# Altium PCB Archim.PcbDoc (part 3 of 5) (continued)
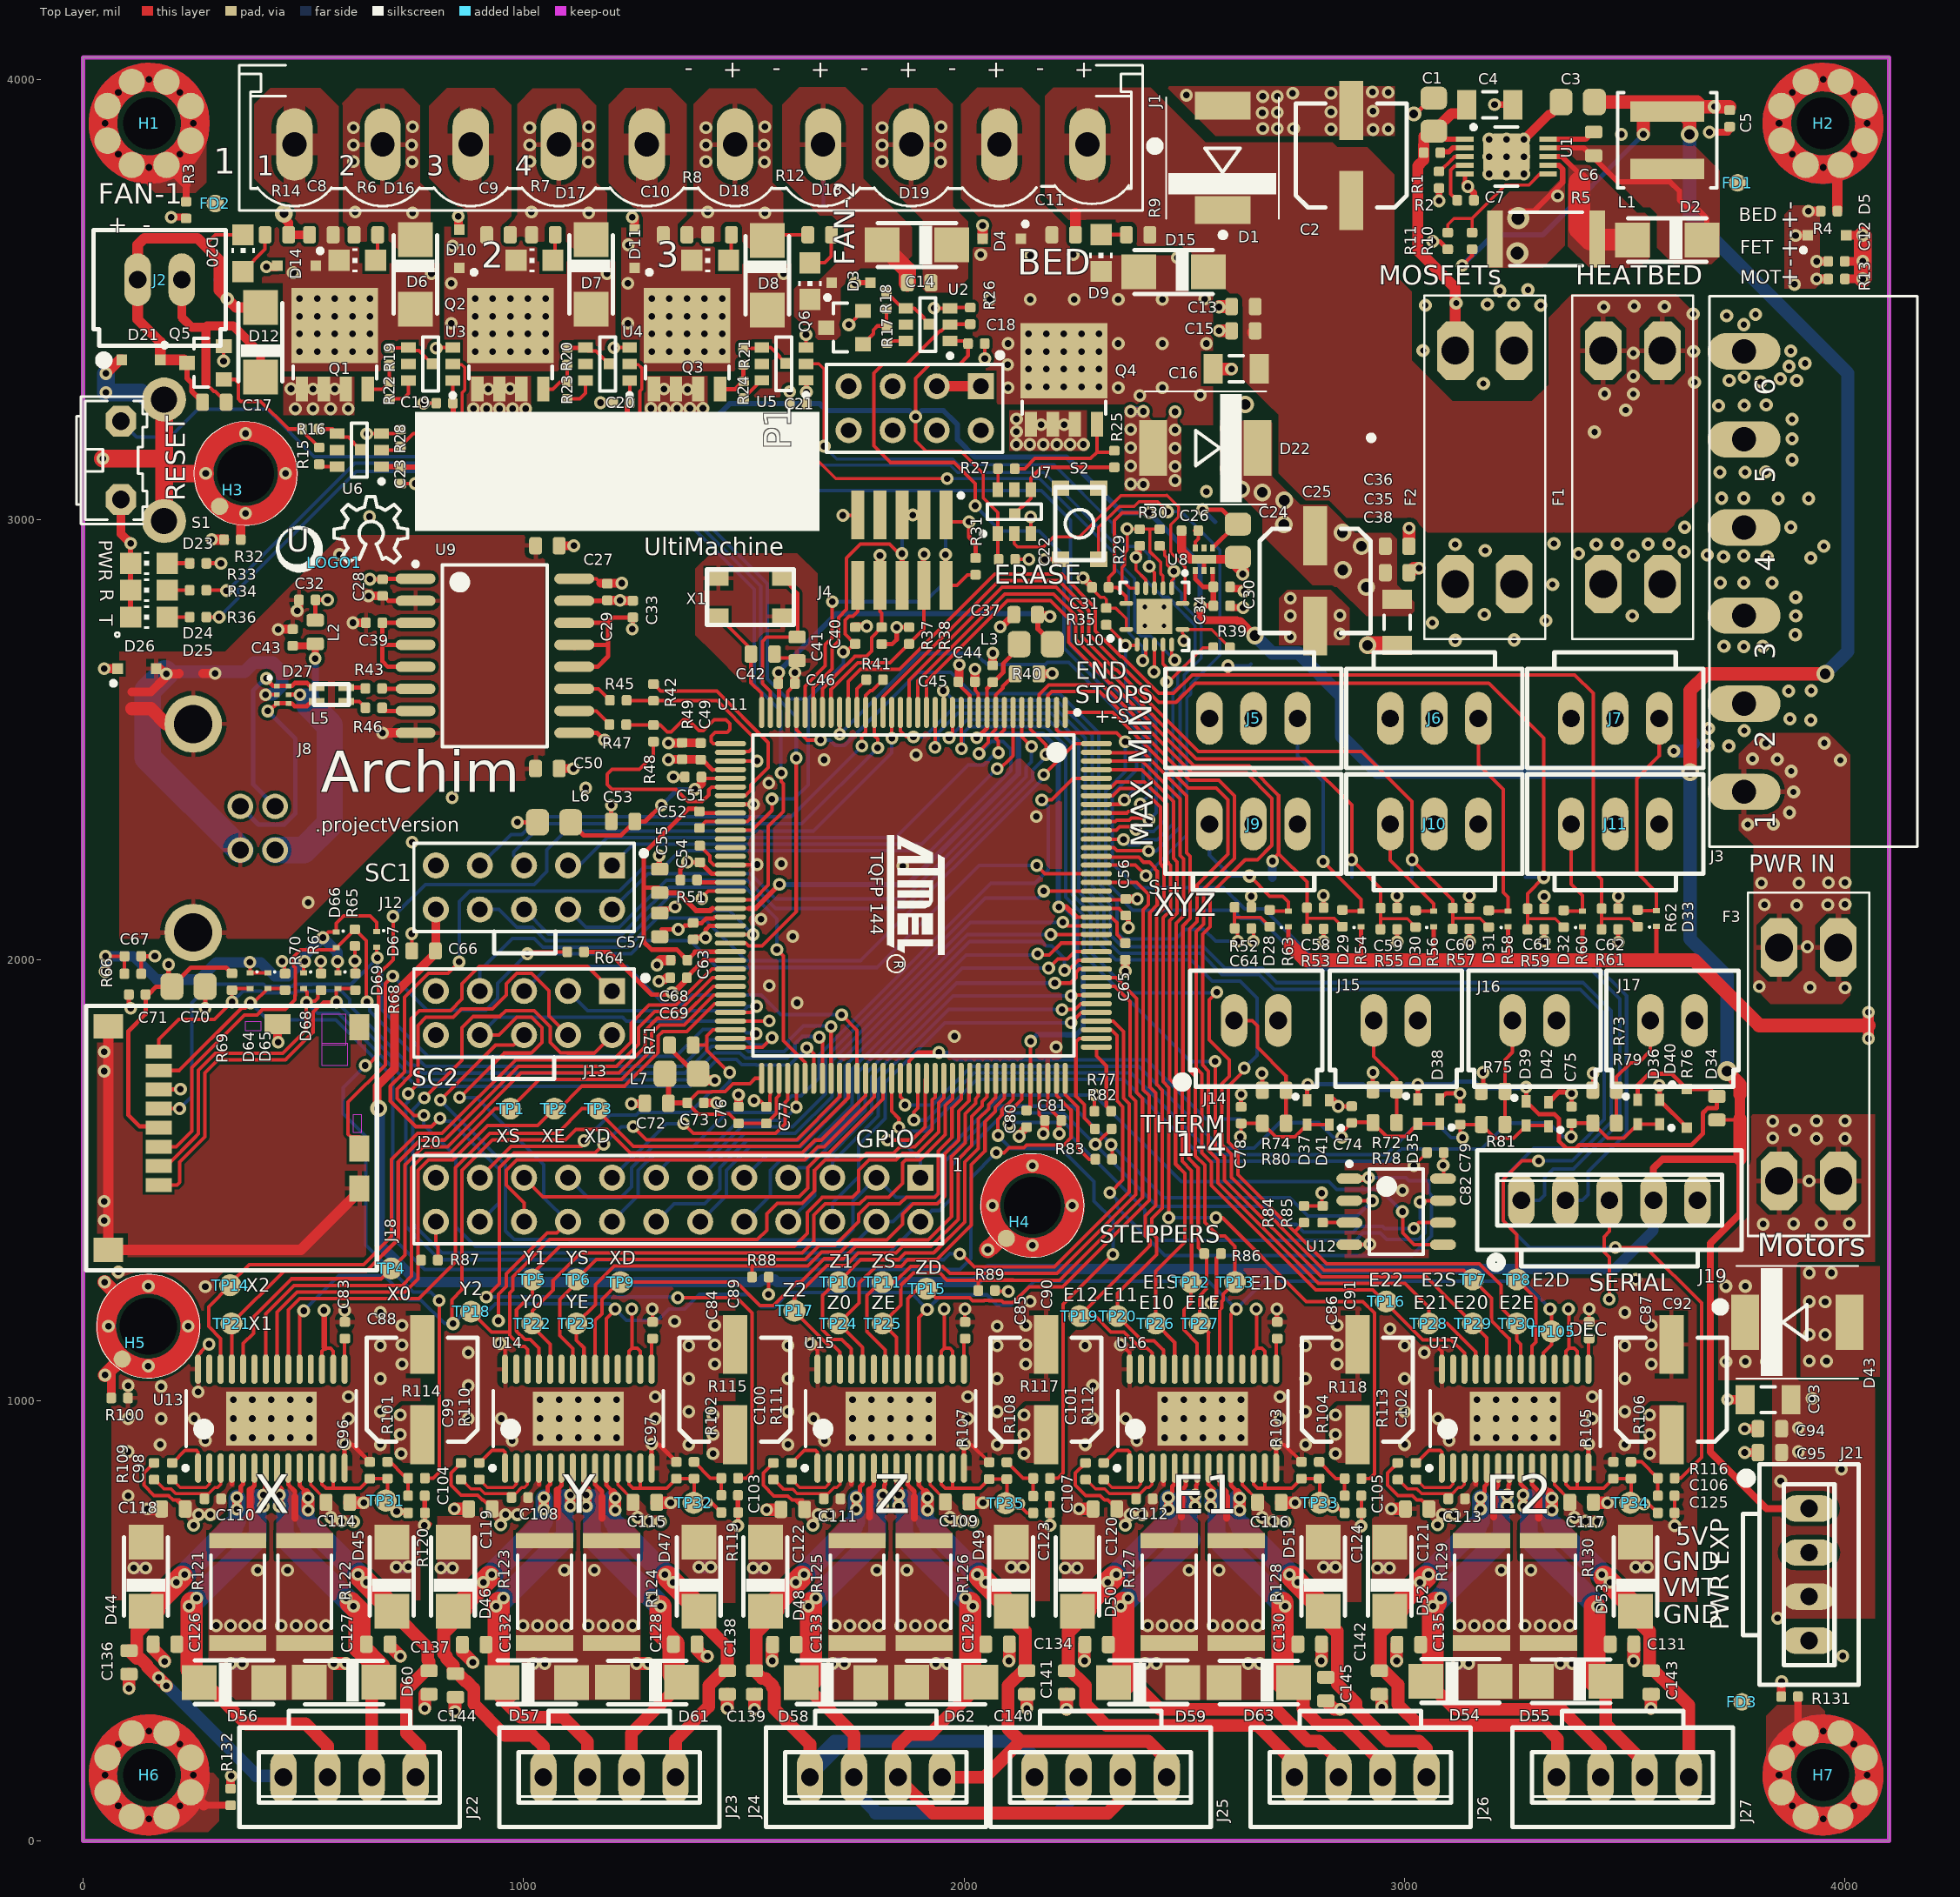
[diagram p0: Top Layer view]
## Nets (pads, with @x,y where several pads share a name; then routed paths per layer and width w, separated by ;. In a path a pad name is that pad's centre, name@x,y a point inside that pad or via, vN(x,y) a via of type N, cw(c..) or ccw(c..) an arc to the next point about the centre after c; other vN are vias at no path point) (continued)
HTBD: C11.2 D4.C D9.C D15.A J1.9 Q4.MB TP37.1
  other v1: 2399,3282 2536,3283 2100,3300 2350,3300 2450,3300 2099,3352 2100,3400 2350,3400 2450,3400 2550,3400 2058,3500 2150,3500 2250,3500 2350,3500 2450,3500 2546,3501 2484,3595 2150,3600 2038,3602 2248,3602
  other v2: 2146.5,3302.03 2186.5,3302.03 2226.5,3302.03 2266.5,3302.03 2306.5,3302.03 2146.5,3342.03 2186.5,3342.03 2226.5,3342.03 2266.5,3342.03 2306.5,3342.03 2146.5,3382.03 2186.5,3382.03 2226.5,3382.03 2266.5,3382.03 2306.5,3382.03 2146.5,3422.03 2186.5,3422.03 2226.5,3422.03 2266.5,3422.03 2306.5,3422.03
HTR0: C8.2 D6.A D14.C D16.C J1.1 Q1.MB TP40.1
  other v1: 791,3559 477,3561
  other v2: 491.5,3382.03 531.5,3382.03 571.5,3382.03 611.5,3382.03 651.5,3382.03 491.5,3422.03 531.5,3422.03 571.5,3422.03 611.5,3422.03 651.5,3422.03 491.5,3462.03 531.5,3462.03 571.5,3462.03 611.5,3462.03 651.5,3462.03 491.5,3502.03 531.5,3502.03 571.5,3502.03 611.5,3502.03 651.5,3502.03
HTR1: C9.2 D7.A D10.C D17.C J1.3 Q2.MB TP39.1
  other v1: 836,3446 836,3537 1189.5,3559 839,3622
  other v2: 890,3382.03 930,3382.03 970,3382.03 1010,3382.03 1050,3382.03 890,3422.03 930,3422.03 970,3422.03 1010,3422.03 1050,3422.03 890,3462.03 930,3462.03 970,3462.03 1010,3462.03 1050,3462.03 890,3502.03 930,3502.03 970,3502.03 1010,3502.03 1050,3502.03
HTRA: C10.2 D8.A D11.C D18.C J1.5 Q3.MB TP38.1
  other v1: 1237,3446 1237,3537 1590.5,3559 1238,3624
  other v2: 1291,3382.03 1331,3382.03 1371,3382.03 1411,3382.03 1451,3382.03 1291,3422.03 1331,3422.03 1371,3422.03 1411,3422.03 1451,3422.03 1291,3462.03 1331,3462.03 1371,3462.03 1411,3462.03 1451,3462.03 1291,3502.03 1331,3502.03 1371,3502.03 1411,3502.03 1451,3502.03
LED_R: R34.1 U11.60 | length 2455.1
  Top Layer w8: R34.1@275.77,2840 325,2840 v1(326,2839) ; U11.60@1469.65,2038.83 1504.1,2038.83 1510.44,2032.5 1541.5,2032.5 1619,2110 v1(1619,2459)
  Bottom Layer w8: v1(326,2839) 327.79,2839 617.29,3128.5 1258.71,3128.5 1538.5,2848.71 1538.5,2632.22 1619,2551.72 v1(1619,2459)
LED_Y: R36.1 U11.55 | length 2320.4
  Top Layer w8: R36.1@275.77,2779 R36.1@279.9,2779 v1(309,2779) ; U11.55@1469.65,2137.26 1522.26,2137.26 1555.5,2170.5 1555.5,2304 1589.5,2338 1589.5,2401 1585,2405.5 v1(1585,2425)
  Bottom Layer w8: v1(309,2779) 351.5,2821.5 351.5,2841.5 620,3110 1256,3110 1523.5,2842.5 1523.5,2626.01 1584,2565.51 1584,2426 v1(1585,2425)
MAX_ES1: C64.1 R52.1 R63.1 TP67.1 U11.32 | length 1806.6
  Top Layer w7: 2614.1,2097 2673.1,2097 R63.1@2694,2076.1
  Top Layer w8: U11.32@1619.25,2562.46 1619.25,2523.54 1642.79,2500 v1(1674,2500) ; C64.1@2611.1,2073 2621,2063.1 v1(2621,2043) v1@2621,2042.94 ; R52.1@2614.1,2120 2614.1,2097 2614.1,2072.2 C64.1@2614.3,2072
  Bottom Layer w8: v1(1674,2500) 1694.94,2500 1707.44,2487.5 1728.56,2487.5 1894.56,2653.5 1970.44,2653.5 2018.44,2605.5 2216.5,2605.5 2305.5,2516.5 2305.5,2174.29 2347.5,2132.29 2347.5,2063.44 2362.44,2048.5 2480.5,2048.5 TP67.1@2502,2070 2544,2070 2571,2043 v1(2621,2043)
MAX_ES2: C59.1 R55.1 R56.1 TP65.1 U11.18 | length 1805.2
  Top Layer w7: 2945.3,2094 3006.1,2094 R56.1@3025,2075.1
  Top Layer w8: U11.18@1894.84,2562.46 1894.84,2634.22 2092.31,2831.69 2202.72,2831.69 2253,2781.41 2253,2728.25 2337.06,2644.2 2340.16,2644.2 2527.36,2457 2775,2457 2880,2352 v1(2880,2228) 2945.3,2162.7 C59.1@2945.3,2118 2945.3,2094 2945.3,2070.2 R55.1@2945.1,2070
  Bottom Layer w8: TP65.1@2880,2188 v1(2880,2228)
MAX_ES3: C61.1 R59.1 R60.1 TP63.1 U11.22 | length 2441.6
  Top Layer w7: 3279.12,2094 3342.1,2094 R60.1@3361,2075.1
  Top Layer w8: U11.22@1816.1,2562.46 1816.1,2597.91 2079.88,2861.69 2215.15,2861.69 2283,2793.83 2283,2740.68 2349.48,2674.2 2352.59,2674.2 2441.79,2585 2481,2585 2525,2629 3191,2629 3316,2504 v2(3316,2188) 3279.12,2151.12 C61.1@3279.12,2116.82 3279.12,2094 3279.12,2070.02 R59.1@3278.93,2069.82
  Bottom Layer w8: TP63.1@3274,2188 v2(3316,2188)
MCCDA: D66.A J18.3 R65.2 U11.72 | length 2101.6
  Top Layer w8: J18.3@171.77,1576.32 211.13,1576.32 246.63,1611.82 246.63,1756.22 366.19,1875.79 394.66,1875.79 407.37,1888.5 459.36,1888.5 481.3,1910.43 481.3,1919.43 481.66,1919.79 481.66,1982.66 477.84,1986.48 477.84,2007.61 493.76,2023.53 569.79,2023.53 D66.A@574.8,2028.54 575.49,2028.54 R65.2@617.13,2070.18 642.63,2044.68 642.63,1907.57 v1(644.68,1905.51) ; U11.72@1469.65,1802.61 1542.61,1802.61 v1(1564,1824)
  Bottom Layer w8: v1(644.68,1905.51) 650.98,1899.22 650.98,1884.72 777.1,1758.61 1360.12,1758.61 1421.01,1819.5 1505.44,1819.5 1517.44,1807.5 1547.5,1807.5 v1(1564,1824)
MCCK: D67.A J18.5 U11.71 | length 1900.5
  Top Layer w8: J18.5@171.77,1662.93 171.84,1663 v1(219.13,1663) ; D67.A@666.34,2029.53 666.34,2006.89 668.21,2005.02 v1(668.34,2005.02) ; U11.71@1469.65,1822.3 1517.3,1822.3 v1(1528,1833)
  Bottom Layer w8: v1(219.13,1663) 246.63,1690.5 246.63,1903.5 288.63,1945.5 409.37,1945.5 414.23,1940.64 475.2,1940.64 480.05,1945.5 496.9,1945.5 497.34,1945.07 518.46,1945.07 518.89,1945.5 608.82,1945.5 v1(668.34,2005.02) 668.34,1980.28 677,1971.62 677,1888 783,1782 1346,1782 1407,1843 1497,1843 1505.5,1834.5 1526.5,1834.5 v1(1528,1833)
MCDA0: D65.A J18.7 R70.2 U11.107 | length 3073.1
  Top Layer w8: J18.7@171.77,1749.54 218.73,1749.54 359.98,1890.79 368.11,1890.79 368.11,1890.98 v1(380.13,1903) 386.27,1903 D65.A@419.29,1936.02 454.43,1936.02 R70.2@458.66,1931.79 ; v1(2073,1563) 2073.14,1562.86 2090.86,1562.86 2102.5,1574.5 2135.56,1574.5 2141.56,1580.5 2226.56,1580.5 2243,1596.94 2243,1659.63 2209.8,1692.83 U11.107@2209.8,1731.75
  Bottom Layer w8: v1(380.13,1903) 418.63,1864.5 573.49,1864.5 702.71,1735.28 702.71,1687.29 702.71,1370.22 774.94,1298 1991.06,1298 2015.5,1322.44 2015.5,1505.5 v1(2073,1563)
MCDA1: D64.A J18.8 R69.2 U11.81 | length 1939
  Top Layer w8: J18.8@171.77,1792.85 171.77,1820.39 216.88,1865.5 298.63,1865.5 v1(338.13,1905) R69.2@338.13,1932 342.15,1936.02 D64.A@378.94,1936.02 ; U11.81@1697.99,1731.75 v1(1698,1849)
  Bottom Layer w8: v1(338.13,1905) 363.19,1930.07 403.59,1930.07 408.02,1925.64 481.41,1925.64 485.83,1930.07 524.67,1930.07 525.11,1930.5 585.69,1930.5 605.13,1911.06 605.13,1896.95 740.57,1761.5 752.03,1761.5 769.92,1743.61 1366.33,1743.61 1427.22,1804.5 1499.22,1804.5 1511.22,1792.5 1592.07,1792.5 1601,1801.43 1601,1816.28 1635.22,1850.5 1696.5,1850.5 v1(1698,1849)
MCDA2: D69.A J18.1 R68.1 U11.80 | length 2118.6
  Top Layer w8: J18.1@171.77,1489.7 213.13,1489.7 219.13,1495.7 219.13,1541.62 276.63,1599.12 276.63,1743.8 306.3,1773.48 459.69,1773.48 521.89,1835.68 521.89,1881.14 545.75,1905 v1(575.13,1905) 575.13,1932.41 D69.A@578.74,1936.02 613.98,1936.02 R68.1@618.11,1931.89 ; v1(1671,1825) 1676,1825 1678.31,1827.31 U11.80@1678.31,1731.75
  Bottom Layer w8: v1(575.13,1905) v1@579.4,1905 ; v1@587.28,1905 587.28,1893.58 734.36,1746.5 745.78,1746.5 754.93,1737.35 763.71,1728.61 1372.54,1728.61 1433.44,1789.5 1491.5,1789.5 1503.5,1777.5 1598.29,1777.5 1616,1795.21 1616,1810.06 1632.44,1826.5 1669.5,1826.5 v1(1671,1825)
MCDA3: D68.A J18.2 R67.1 U11.79 | length 2029.4
  Top Layer w8: J18.2@171.77,1533.01 189.3,1533.01 256.71,1600.42 256.71,1600.68 261.63,1605.6 261.63,1750.01 300.09,1788.48 453.48,1788.48 506.89,1841.89 v1(506.89,1904.53) 509.01,1906.65 526.18,1906.65 533.13,1913.59 R67.1@533.13,1932.1 ; D68.A@500.98,1936.02 509.01,1928 v1@509.01,1907.99 ; v1(1643,1801) 1645,1801 1658.62,1787.38 U11.79@1658.62,1731.75
  Bottom Layer w8: v1(506.89,1904.53) 531.92,1879.5 580.15,1879.5 728.15,1731.5 739.56,1731.5 748.71,1722.35 ; 748.75,1722.35 757.5,1713.61 1378.76,1713.61 1439.65,1774.5 1483.5,1774.5 1495.5,1762.5 1528,1762.5 1529,1761.5 1603.5,1761.5 v1(1643,1801)
MIN_ES1: C58.1 R53.1 R54.1 TP66.1 U11.17 | length 1638.5
  Top Layer w7: 2778.3,2095.1 2840,2095.1 R54.1@2859,2076.1
  Top Layer w8: U11.17@1914.53,2562.46 1914.53,2632.69 2098.52,2816.69 2196.51,2816.69 2238,2775.19 2238,2722.04 2330.84,2629.2 2333.95,2629.2 2522.15,2441 2647,2441 2714,2374 2714,2242 ; v1(2700,2225) 2700,2228 2714,2242 ; R53.1@2778.1,2071 2778.3,2071.2 2778.3,2095.1 C58.1@2778.3,2119 2778.3,2177.7 2714,2242
  Bottom Layer w20: TP66.1@2700,2188 v1(2700,2225)
MIN_ES2: C60.1 R57.1 R58.1 TP64.1 U11.19 | length 1992.7
  Top Layer w7: 3109.3,2095 3171.1,2095 R58.1@3191,2075.1
  Top Layer w8: U11.19@1875,2562.3 U11.19@1875.16,2562.46 1875.16,2635.75 2086.09,2846.69 2208.93,2846.69 2268,2787.62 2268,2734.47 2343.27,2659.2 2346.37,2659.2 2531.57,2474 2903,2474 3017,2360 v1(3017,2228) 3109.3,2135.7 C60.1@3109.3,2118 3109.3,2095 3109.3,2071.2 R57.1@3109.1,2071
  Bottom Layer w8: TP64.1@3017,2188 v1(3017,2228)
MIN_ES3: C62.1 R61.1 R62.1 TP62.1 U11.26 | length 2747.4
  Top Layer w7: 3447.3,2094 3511.1,2094 R62.1@3529,2076.1
  Top Layer w8: U11.26@1737.36,2562.46 1737.36,2632.87 1764.49,2660 1853.51,2660 2070.2,2876.69 2221.36,2876.69 2298,2800.05 2298,2746.89 2355.69,2689.2 2358.8,2689.2 2442,2606 2476,2606 2518,2648 2600,2648 ; v2(2599,2668) 2599,2649 2600,2648 ; R61.1@3447.1,2070 3447.3,2070.2 3447.3,2094 C62.1@3447.3,2117 3447.3,2183.7 3428,2203 3428,2606 3386,2648 2600,2648
  Bottom Layer w8: v2(2599,2668) 2647,2668 TP62.1@2651,2672
MOD0E1: TP4.1 U11.65 U13.24 | length 1664
  Top Layer w8: U13.24@363.47,1071.2 363.47,1129.47 387,1153 387,1190.41 473.09,1276.5 676.5,1276.5 TP4.1@700,1300 730.47,1330.47 730.47,1535.21 771.79,1576.53 827.1,1576.53 994.57,1744 1216.57,1744 1275.66,1803.09 1275.66,1840.26 1303.41,1868 1358.21,1868 1430.62,1940.41 U11.65@1469.65,1940.41
MOD0E2: TP22.1 U11.95 U14.24 | length 1460.1
  Top Layer w8: TP22.1@1020,1175 1020,1204 1067,1251 1067,1272.91 1129.56,1335.47 1632.62,1335.47 1659,1361.85 1659,1421.31 1684.21,1446.53 1763,1446.53 1778,1461.53 1828.53,1461.53 1860.47,1493.47 1860.47,1540.08 1866.92,1546.53 1900.25,1546.53 1957.5,1603.78 1957.5,1670.05 1973.58,1686.14 U11.95@1973.58,1731.75 ; TP22.1@1023.5,1171.5 1020,1168 1060.33,1127.67 U14.24@1060.33,1071.2
MOD0E3: TP26.1 U11.141 U16.24 | length 1564.1
  Top Layer w8: U11.141@2300.35,2432.54 2403.25,2432.54 2475.5,2360.29 2475.5,2231.43 2483.5,2223.43 2483.5,2106.65 2466.79,2089.93 2466.79,1730.36 2480,1717.15 2480,1537.21 2501.35,1515.86 2501.35,1386.15 2501.5,1386 2501.5,1360.01 2435,1293.51 TP26.1@2435,1175 2478.04,1131.96 U16.24@2478.04,1071.2
MOD0E4: TP29.1 U11.13 U17.24 | length 2360.4
  Top Layer w8: U11.13@1993.27,2562.46 1993.27,2480.73 v1(1994,2480) ; v1(2570,1770) 2570,1574.49 2591.5,1552.99 2591.5,1500.43 2810.93,1281 3049,1281 TP29.1@3155,1175 3186.9,1143.1 U17.24@3186.9,1071.2
  Bottom Layer w8: v1(1994,2480) 1997.5,2483.5 1997.5,2515.56 2012.44,2530.5 2185.43,2530.5 2230.5,2485.43 2230.5,2143.22 2272.5,2101.22 2272.5,2011.22 2513.72,1770 v1(2570,1770)
MOD0E_Z: TP24.1 U11.101 U15.24 | length 911.1
  Top Layer w8: U15.24@1769.44,1071.2 1769.44,1120.56 TP24.1@1715,1175 1762,1222 1762,1266.91 1800.09,1305 1857.66,1305 1872.66,1320 1938,1320 2016.53,1398.53 2016.53,1535.53 2047.5,1566.5 2047.5,1632.78 2071,1656.28 2071,1666.11 2091.69,1686.8 U11.101@2091.69,1731.75
MOD1E1: TP21.1 U11.64 U13.25 | length 1686.4
  Top Layer w8: U13.25@337.88,1071.2 338,1071.33 338,1174 TP21.1@337,1175 456,1294 643.09,1294 715.47,1366.38 715.47,1541.43 765.57,1591.53 820.89,1591.53 988.36,1759 1210.36,1759 1260.66,1809.3 1260.66,1846.47 1297.19,1883 1352,1883 1429.09,1960.09 U11.64@1469.65,1960.09
MOD1E2: TP5.1 U11.94 U14.25 | length 1508.5
  Top Layer w8: TP5.1@1003.5,1271.5 1082.47,1350.47 1614.47,1350.47 1644,1380 1644,1427.53 1677.53,1461.06 1677.53,1461.53 1746.53,1461.53 1760.47,1475.47 1760.47,1522.79 1784.21,1546.53 1845.7,1546.53 1860.7,1561.53 1894.04,1561.53 1942.5,1609.99 1942.5,1676.27 1953.9,1687.67 U11.94@1953.9,1731.75 ; TP5.1@1020,1275 1020,1241.72 984,1205.72 984,1158 1003,1139 1015,1139 1035,1119 1035,1071.47 U14.25@1034.73,1071.2
MOD1E3: TP20.1 U11.138 U16.25 | length 1570.9
  Top Layer w8: U11.138@2300.35,2373.48 2337.22,2373.48 2353.74,2390 2403.36,2390 2445.5,2347.86 2445.5,2219.01 2448.5,2216.01 2448.5,2213.78 2453.5,2208.78 2453.5,2119.07 2436.79,2102.36 2436.79,1717.93 2450,1704.72 2450,1436.85 2426.5,1413.35 2426.5,1380.44 2436.79,1370.15 2436.79,1331.51 2348.5,1243.23 TP20.1@2348.5,1192 2404.51,1136 2431,1136 2452.45,1114.55 U16.25@2452.45,1071.2
MOD1E4: TP28.1 U11.4 U17.25 | length 2458.6
  Top Layer w8: U11.4@2170.43,2562.46 2170.43,2602.9 2192.53,2625 2313.83,2625 2324.63,2614.2 2327.73,2614.2 2517,2424.93 2641.07,2424.93 2699,2367 2699,2261 2666,2228 2638,2228 2558.5,2148.5 2558.5,2075.58 2541.79,2058.87 2541.79,1761.43 2555,1748.21 2555,1568.28 2576.5,1546.78 2576.5,1494.21 2804.71,1266 3001,1266 3055,1212 TP28.1@3055,1175 3097,1175 3161.31,1110.69 U17.25@3161.31,1071.2
MOD1E_Z: TP10.1 U11.100 U15.25 | length 952.9
  Top Layer w8: TP10.1@1712,1272 1679,1239 1679,1160.09 1700.09,1139 1722.42,1139 1743.85,1117.57 U15.25@1743.85,1071.2 ; TP10.1@1715,1269 1766,1320 1851.45,1320 1866.45,1335 1931,1335 2001.53,1405.53 2001.53,1541.74 2032.5,1572.71 2032.5,1638.99 2056,1662.49 2056,1672.32 2072.01,1688.33 U11.100@2072.01,1731.75
MOD2E1: TP14.1 U11.63 U13.26 | length 1784.2
  Top Layer w8: U13.26@312.29,1071.2 312.33,1071.25 312.33,1140.67 285,1168 285,1213 TP14.1@334,1262 ; TP14.1@332.29,1263.71 377.57,1309 636.79,1309 700.47,1372.69 700.47,1547.64 759.36,1606.53 814.67,1606.53 982.15,1774 1204.15,1774 1244,1813.85 1244,1857.02 1284.98,1898 1345.79,1898 1427.57,1979.78 U11.63@1469.65,1979.78
MOD2E2: TP18.1 U11.93 U14.26 | length 1600.5
  Top Layer w8: TP18.1@881,1202 927.34,1155.66 966.64,1155.66 968.46,1157.48 ; U14.26@1009.14,1071.2 1009.14,1115.86 1002,1123 993,1123 968.46,1147.54 968.46,1157.48 ; U11.93@1934.21,1731.75 1934.21,1689.19 1927.5,1682.48 1927.5,1616.21 1887.82,1576.53 1854.49,1576.53 1839.49,1561.53 1778,1561.53 1763,1546.53 1684.21,1546.53 1660.47,1522.79 1660.47,1476.47 1632,1448 1576,1448 1552,1424 1552,1387 1530.47,1365.47 1059.56,1365.47 975.47,1281.38 975.47,1251.69 968.46,1244.67 968.46,1157.48
MOD2E3: TP19.1 U11.131 U16.26 | length 1492.8
  Top Layer w8: U11.131@2300.35,2235.68 2302.54,2233.5 2378.78,2233.5 2378.9,2233.62 2396.31,2233.62 2407.44,2222.5 2420.79,2222.5 2433.5,2209.79 2433.5,2207.56 2438.5,2202.56 2438.5,2125.29 2421.79,2108.57 2421.79,1711.72 2435,1698.51 2435,1443.06 2411.5,1419.56 2411.5,1374.22 2421.79,1363.94 2421.79,1351.79 TP19.1@2262,1192 2297.59,1192 2333.59,1156 2363.29,1156 2400.29,1119 2415.67,1119 2426.86,1107.8 U16.26@2426.86,1071.2
MOD2E4: TP16.1 U11.3 U17.26 | length 2289.7
  Top Layer w8: U11.3@2190.12,2562.46 2190.12,2601.38 2198.74,2610 2307.61,2610 2318.42,2599.2 2321.52,2599.2 2512,2408.72 2578.28,2408.72 2614,2373 2614,2231 2543.5,2160.5 2543.5,2081.79 2526.79,2065.08 2526.79,1755.21 2540,1742 2540,1562.07 2561.5,1540.57 2561.5,1488 2798.5,1251 2928.09,1251 3041.09,1138 3105.52,1138 3135.72,1107.8 U17.26@3135.72,1071.2 ; TP16.1@2955,1225 TP16.1@2958,1225 2965,1225 TP16.1@2973,1233
MOD2E_Z: TP17.1 U11.99 U15.26 | length 1003.6
  Top Layer w8: U15.26@1718.26,1071.2 1718.26,1110.16 1704.42,1124 1693.88,1124 1615,1202.88 1615,1233 1689,1307 1731.79,1307 1759.79,1335 1845.24,1335 1860.24,1350 1924.79,1350 1986.53,1411.74 1986.53,1547.95 2017.5,1578.93 2017.5,1645.2 2041,1668.7 2041,1678.53 2052.32,1689.85 U11.99@2052.32,1731.75
NetC6_1: C6.1 U1.10 | length 93.4
  Top Layer w12: U1.10@3325.8,3863.8 3410.8,3863.8 C6.1@3416.77,3869.77
NetC6_2: C6.2 D2.C L1.1 U1.9 | length 487.4
  Top Layer w12: U1.9@3325.8,3844.11 3407.12,3844.11 3483.97,3767.26 3603,3767.26 3623.69,3746.57 3623.69,3726.31 3644.8,3705.2 3665.06,3705.2 3685.74,3684.52 D2.C@3685.74,3635
NetC7_1: C7.1 U1.4 | length 112
  Top Layer w8: C7.1@3119.3,3725 3104.52,3739.78 3104.52,3794.29 3113.29,3803.05 3135.14,3803.05 U1.4@3136.83,3804.74
NetC17_2: C17.2 D12.A D20.C D21.C J2.1 Q5.3 TP42.1 | length 989.6
  Top Layer w8: 276,3623 300,3647 D20.C@363,3647 ; v2(327.5,3501.5) v2@331,3498
  Top Layer w12: Q5.3@236,3356 236,3321.1 247,3310.1 247,3291.23 C17.2@271.23,3267
  Top Layer w24: Q5.3@236,3356 229,3363 D21.C@175.31,3363 175.31,3403.69 124,3455 J2.1@124,3545 124,3624 139,3639 260,3639 276,3623 308,3591 308,3521 v2(327.5,3501.5) ; v2@331,3498 347,3482 D12.A@403,3482
  Bottom Layer w8: TP42.1@299,3545 314.35,3521.58 v2(327.5,3501.5)
NetC26_1: C26.1 U8.6 | length 44.2
  Top Layer w8: C26.1@2523.35,2975.6 C26.1@2524.96,2973.98 ; U8.6@2524.96,2936.19 2524.96,2949.8 2531.5,2956.34 C26.1@2531.5,2975.39
NetC41_1: C41.1 U11.35 X1.3 | length 400.6
  Top Layer w8: U11.35@1560.2,2562.46 1560.2,2610.12 1542,2628.32 1542,2724 1551.77,2733.77 C41.1@1621,2733.77 1622.46,2735.23 1622.46,2832.68 X1.3@1587.83,2867.31
NetC42_1: C42.1 U11.36 X1.1 | length 259
  Top Layer w8: X1.1@1442.17,2780.69 1516.23,2706.63 C42.1@1516.23,2695 1516.23,2630.24 1540.51,2605.96 U11.36@1540.51,2562.46
NetC43_2: C43.2 D27.5 J8.1 L2.2 TP61.1 | length 697.4
  Top Layer w10: D27.5@466.27,2602.81 489,2602.81 489,2601.81 v1@492,2601.81
  Top Layer w16: C43.2@476,2714 522.77,2714 L2.2@527,2718.23 v1(527,2685)
  Bottom Layer w16: 521,2602.81 527,2608.81 v1(527,2685)
  Bottom Layer w29: 513,2577.81 492,2598.81 v1(492,2602.81) 521,2602.81
  Bottom Layer w60: J8.1@436,2250 501,2250 560,2309 560,2533 514.09,2578.91
NetC49_1: C49.1 R49.2 U11.40 | length 149.5
  Top Layer w8: 1428.46,2432.54 U11.40@1469.65,2432.54
  Top Layer w10: v1(1329,2455) v1@1330,2456 ; C49.1@1401.3,2456 C49.1@1402,2455.3 ; C49.1@1404,2457 1428.46,2432.54
  Top Layer w20: v1@1330,2456 R49.2@1360,2456 C49.1@1401.3,2456
NetC83_2: C83.2 U13.15 | length 70.5
  Top Layer w8: U13.15@593.78,1071.2 593.78,1139.22 C83.2@595.57,1141
NetC84_2: C84.2 U14.15 | length 70.8
  Top Layer w8: U14.15@1290.64,1071.2 1290.64,1138.64 C84.2@1293,1141
NetC85_2: C85.2 U15.15 | length 70.5
  Top Layer w8: U15.15@1999.76,1071.2 1999.76,1139.22 C85.2@2001.54,1141
NetC86_2: C86.2 U16.15 | length 70.9
  Top Layer w8: U16.15@2708.36,1071.2 2708.36,1138.36 C86.2@2711,1141
NetC87_2: C87.2 U17.15 | length 70.5
  Top Layer w8: U17.15@3417.22,1071.2 3417.22,1139.22 C87.2@3419,1141
NetC96_2: C96.2 R101.2 R120.2 TP31.1 TP80.1 U13.12 U13.13 | length 358.5
  Top Layer w8: U13.12@542.6,846.8 542.6,810.33 551.57,801.37 551.57,801 568.57,801 568.19,801.37 ; U13.13@568.19,846.8 568.19,801.37 ; v1(712,748) TP31.1@687,773 691,777 R101.2@691,823 C96.2@651,823 629.37,801.37 568.19,801.37 ; R120.2@735,748 R120.2@738,745
  Top Layer w16: v1(712,748) R120.2@735,748
NetC97_2: C97.2 R102.2 R119.2 TP32.1 TP83.1 U14.12 U14.13 | length 399.9
  Top Layer w8: U14.12@1239.46,846.8 1239.46,810.33 1248.42,801.37 1248.42,801 1265.42,801 1265.05,801.37 ; U14.13@1265.05,846.8 1265.05,801.37 ; R119.2@1449,746 1427,768 v1(1415,768) TP32.1@1386,768 1387,769 R102.2@1387,823 C97.2@1347,823 1325.37,801.37 1265.05,801.37
  Bottom Layer w8: TP83.1@1386,768 v1(1415,768)
NetC98_1: C98.1 U13.1 | length 108.8
  Top Layer w8: C98.1@202.08,858.5 203.08,858.5 231.57,887 257.36,887 261.1,883.26 U13.1@261.1,846.8
NetC98_2: C98.2 U13.2 | length 131.6
  Top Layer w7: C98.2@202.08,820.8 203.08,820.8 221.05,802.83 279.19,802.83 286.69,810.33 U13.2@286.69,846.8
NetC99_1: C99.1 U14.1 | length 108.8
  Top Layer w8: C99.1@898.94,858.5 899.94,858.5 928.43,887 954.22,887 957.96,883.26 U14.1@957.96,846.8
NetC99_2: C99.2 U14.2 | length 131.6
  Top Layer w7: C99.2@898.94,820.8 899.94,820.8 917.91,802.83 976.05,802.83 983.55,810.33 U14.2@983.55,846.8
NetC100_1: C100.1 U15.1 | length 108.8
  Top Layer w8: C100.1@1608.05,858.5 1609.05,858.5 1637.55,887 1663.34,887 1667.08,883.26 U15.1@1667.08,846.8
NetC100_2: C100.2 U15.2 | length 131.6
  Top Layer w7: C100.2@1608.05,820.8 1609.05,820.8 1627.03,802.83 1685.17,802.83 1692.67,810.33 U15.2@1692.67,846.8
NetC101_1: C101.1 U16.1 | length 108.8
  Top Layer w8: C101.1@2316.65,858.5 2317.65,858.5 2346.15,887 2371.94,887 2375.68,883.26 U16.1@2375.68,846.8
NetC101_2: C101.2 U16.2 | length 131.6
  Top Layer w7: C101.2@2316.65,820.8 2317.65,820.8 2335.63,802.83 2393.77,802.83 2401.27,810.33 U16.2@2401.27,846.8
NetC102_1: C102.1 U17.1 | length 108.8
  Top Layer w8: C102.1@3025.51,858.5 3026.51,858.5 3055.01,887 3080.8,887 3084.54,883.26 U17.1@3084.54,846.8
NetC102_2: C102.2 U17.2 | length 131.6
  Top Layer w7: C102.2@3025.51,820.8 3026.51,820.8 3044.48,802.83 3102.63,802.83 3110.13,810.33 U17.2@3110.13,846.8
NetC103_2: C103.2 R102.1 R115.2 | length 116.3
  Top Layer w8: R102.1@1387,860.9 1423.9,824 R115.2@1449,824 C103.2@1449,785
NetC104_2: C104.2 R101.1 R114.2 | length 92.2
  Top Layer w8: R101.1@694,863.9 R114.2@730.9,827 ; C104.2@738,784 R114.2@738,824
NetC105_2: C105.2 R104.1 R118.2 | length 112.7
  Top Layer w8: R104.1@2806,860.9 2843.9,823 R118.2@2864,823 C105.2@2864,784
NetC106_2: C106.2 R106.1 R116.2 | length 116.3
  Top Layer w8: R106.1@3514,860.9 3538.1,860.9 R116.2@3575,824 C106.2@3575,784
NetC107_2: C107.2 R108.1 R117.2 | length 115.5
  Top Layer w8: R108.1@2097,859.9 2133.48,823.42 R117.2@2157,823.42 C107.2@2157,783
NetC108_1: C108.1 R110.1 U14.3 | length 220.9
  Top Layer w7: R110.1@858,820.8 858,822 880.5,799.5 901.44,799.5 912.11,788.83 C108.1@972.6,788.83 ; C108.1@972.6,780 C108.1@972.6,788.83 ; U14.3@1009.14,846.8 1009.14,809.36 1008.86,809.36 1002,802.5 995.52,802.5 981.85,788.83 C108.1@972.6,788.83
NetC110_1: C110.1 R109.1 U13.3 | length 220.9
  Top Layer w7: R109.1@161.14,820.8 161.14,822 183.96,799.19 200.09,799.19 210.44,788.83 C110.1@275.74,788.83 ; C110.1@275.74,780 C110.1@275.74,788.83 ; U13.3@312.29,846.8 312.29,809.36 312,809.36 305.14,802.5 298.66,802.5 284.99,788.83 C110.1@275.74,788.83
NetC111_1: C111.1 R111.1 U15.3 | length 220.9
  Top Layer w7: R111.1@1567.12,820.8 1567.12,822 1590.93,798.19 1611.87,798.19 1621.23,788.83 C111.1@1681.72,788.83 ; C111.1@1681.72,780 C111.1@1681.72,788.83 ; U15.3@1718.26,846.8 1718.26,809.36 1717.98,809.36 1711.12,802.5 1704.64,802.5 1690.97,788.83 C111.1@1681.72,788.83
NetC112_1: C112.1 R112.1 U16.3 | length 220.9
  Top Layer w7: R112.1@2275.72,820.8 2275.72,822 2298.22,799.5 2319.16,799.5 2329.83,788.83 C112.1@2390.32,788.83 ; C112.1@2390.32,780 C112.1@2390.32,788.83 ; U16.3@2426.86,846.8 2426.86,809.36 2426.57,809.36 2419.72,802.5 2413.24,802.5 2399.57,788.83 C112.1@2390.32,788.83
NetC113_1: C113.1 R113.1 U17.3 | length 220.9
  Top Layer w7: R113.1@2984.58,820.8 2984.58,822 3007.39,799.19 3028.33,799.19 3038.69,788.83 C113.1@3099.18,788.83 ; C113.1@3099.18,780 C113.1@3099.18,788.83 ; U17.3@3135.72,846.8 3135.72,809.36 3135.43,809.36 3128.58,802.5 3122.1,802.5 3108.43,788.83 C113.1@3099.18,788.83
NetC123_2: C123.2 R107.2 R108.2 TP35.1 TP84.1 U15.12 U15.13 | length 379.6
  Top Layer w8: U15.12@1948.58,846.8 1948.58,810.33 1957.54,801.37 1957.54,801 1974.54,801 1974.17,801.37 ; U15.13@1974.17,846.8 1974.17,801.37 ; TP35.1@2094,767 2097,770 R108.2@2097,822 R107.2@2057,822 2036.37,801.37 1974.17,801.37 ; v1(2124,766) 2124,763.64 2142.64,745 C123.2@2157,745
  Bottom Layer w8: TP84.1@2094,767 2127,767 2126,766 v1(2124,766)
NetC124_2: C124.2 R103.2 R104.2 TP33.1 TP82.1 U16.12 U16.13 | length 409.7
  Top Layer w8: U16.12@2657.18,846.8 2657.18,810.33 2666.14,801.37 2666.14,801 2683.14,801 2682.77,801.37 ; U16.13@2682.77,846.8 2682.77,801.37 ; v1(2837,759) 2816,759 TP33.1@2807,768 2807,822 R104.2@2806,823 R103.2@2766,823 2744.37,801.37 2682.77,801.37 ; v1@2837,769 2861,745 C124.2@2864,745
  Bottom Layer w8: TP82.1@2807,768 2837,768 v1(2837,759)
NetC125_2: C125.2 R105.2 R106.2 TP34.1 TP81.1 U17.12 U17.13 | length 372.4
  Top Layer w8: U17.12@3366.04,846.8 3366.04,810.33 3375,801.37 3375,801 3392,801 3391.63,801.37 ; U17.13@3391.63,846.8 3391.63,801.37 ; TP34.1@3512,768 3514,770 R106.2@3514,823 R105.2@3474,823 3452.37,801.37 3391.63,801.37 ; v1(3543,765) 3555,765 C125.2@3575,745
  Bottom Layer w8: TP81.1@3512,768 3540.49,768 3543,765.49 v1(3543,765)
NetC126_1: C126.1 D56.C J22.3 TP103.1 U13.7 | length 1019.9
  Top Layer w10: v1@412.57,788.47 412.57,808.25 414.65,810.33 U13.7@414.65,846.8
  Top Layer w20: v1(409.57,760) v1(409.57,786)
  Top Layer w29: D56.C@246.74,389.08 D56.C@275.83,360 ; D56.C@263.51,360 D56.C@263.77,360 D56.C@275.83,360 ; D56.C@277.37,360 D56.C@275.83,360 ; J22.3@555,145 555,216 505,266 369.83,266 D56.C@275.83,360
  Top Layer w50: D56.C@246.74,389.08 v1@246.74,541
  Bottom Layer w29: v1(409.57,760) v1(409.57,786)
  Bottom Layer w40: 396.74,684 v1@396.74,779.42
  Bottom Layer w50: v1@248.74,541 TP103.1@387.74,680
  other v1: 240.74,533 257.74,552
NetC127_2: C127.2 D60.C J22.2 TP102.1 U13.8 | length 825.8
  Top Layer w10: U13.8@440.24,846.8 440.24,810.33 451.57,799 v1(445.57,786)
  Top Layer w20: v1(445.57,760) v1(445.57,786)
  Top Layer w29: J22.2@655,145 D60.C@655,337.14
  Top Layer w50: v1@608.14,541 608.14,540.24 627.72,520.67 627.72,439.49 672.51,394.69 D60.C@672.51,359
  Bottom Layer w29: v1(445.57,760) v1(445.57,786) 456.24,780.42 v1@458.14,779.42
  Bottom Layer w40: 458.14,684 v1@458.14,779.42
  Bottom Layer w50: TP102.1@467.14,680 v1@606.14,541
  other v1: 614.14,533 597.14,552
NetC128_2: C128.2 D61.C J23.2 TP98.1 U14.8 | length 863.6
  Top Layer w10: U14.8@1137.1,846.8 1137.1,810.33 1148.42,799 v1(1142.42,786)
  Top Layer w24: v1(1142.42,760) v1(1142.42,786)
  Top Layer w29: J23.2@1245,145 1245,244.47 D61.C@1347.53,347
  Top Layer w50: v1(1311,533) 1311,476.23 C128.2@1340.23,447 1340.23,378.3 D61.C@1359.53,359
  Bottom Layer w29: v1(1142.42,760) v1(1142.42,786) 1153.1,780.42 v1@1155,779.42
  Bottom Layer w40: 1155,684 v1@1155,779.42
  Bottom Layer w50: TP98.1@1164,680 v1@1303,541
  other v1: 1294,552
NetC129_2: C129.2 D62.C J24.2 J25.2 TP94.1 U15.8 | length 1507.9
  Top Layer w10: U15.8@1846.22,846.8 1846.22,810.33 1857.54,799 v1(1851.54,786)
  Top Layer w20: v1(1851.54,760) v1(1851.54,786)
  Top Layer w29: D62.C@2039.12,359 1921.56,241.44 1875.44,241.44 1850,216 J24.2@1850,145 1850,142.17 1928.67,63.5 2326.41,63.5 2356,93.09 J25.2@2356,108
  Top Layer w50: D62.C@2014.12,346 v1@2014.12,541
  Bottom Layer w29: v1(1851.54,760) v1(1851.54,786) 1862.22,780.42 v1@1864.12,779.42
  Bottom Layer w40: 1864.12,684 v1@1864.12,779.42
  Bottom Layer w50: TP94.1@1873.12,680 v1@2012.12,541
  other v1: 2020.12,533 2003.12,552
NetC130_2: C130.2 D63.C J26.2 TP90.1 U16.8 | length 938.1
  Top Layer w10: U16.8@2554.81,846.8 2554.81,810.33 2566.14,799 v1(2560.14,786)
  Top Layer w20: v1(2560.14,760) v1(2560.14,786)
  Top Layer w29: D63.C@2747.72,359.21 2770,336.93 2770,300.18 2807.18,263 2864,263 2950,177 J26.2@2950,145
  Top Layer w50: D63.C@2722.72,359.21 v1@2722.72,541
  Bottom Layer w29: v1(2560.14,760) v1(2560.14,786) 2570.82,780.42 v1@2572.72,779.42
  Bottom Layer w40: 2572.72,684 v1@2572.72,779.42
  Bottom Layer w50: TP90.1@2581.72,680 v1@2720.72,541
  other v1: 2728.72,533 2711.72,552
NetC131_2: C131.2 D55.C J27.2 TP86.1 U17.8 | length 820
  Top Layer w10: U17.8@3263.67,846.8 3263.67,810.33 3275,799 v1(3269,786)
  Top Layer w20: v1(3269,786) 3269,761 v1(3270,760)
  Top Layer w29: D55.C@3456.58,359 3456.58,265.34 3545,176.91 J27.2@3545,145
  Top Layer w50: D55.C@3431.58,363 v1@3431.58,533
  Bottom Layer w29: v1(3269,786) 3280.46,780.01 v1@3281.58,779.42
  Bottom Layer w40: 3281.58,684 v1@3281.58,779.42
  Bottom Layer w50: TP86.1@3290.58,680 v1@3429.58,541
  other v1: 3437.58,533